# KiCad board HandyWork-5x3-with-mods-with-nav-PCB.kicad_pcb (continued)
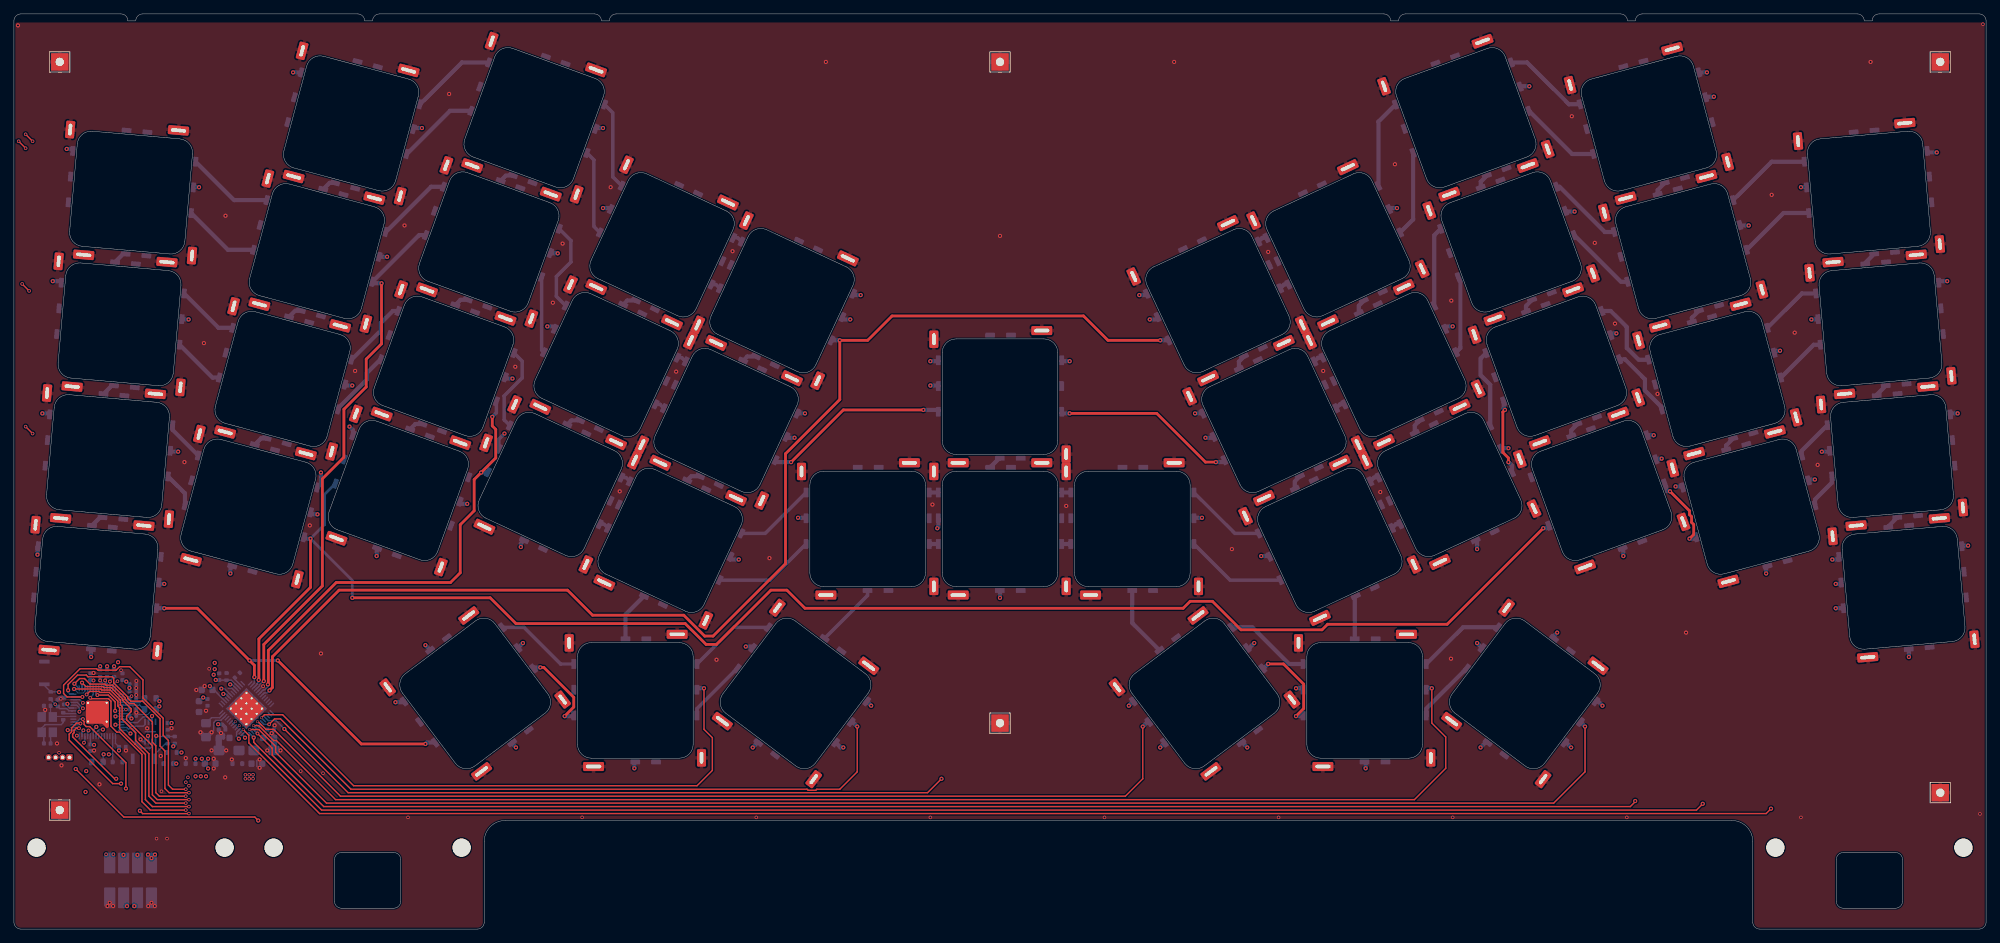
[diagram p0: board, top side]
## Routing (per net, layer and track width the routed paths; a pad name or vN(x,y) marks a point on that pad's centre or on a via; arc(x,y) is an arc through that point) (continued)
Net-(J2-Pin_4): length 17.9
  In2.Cu w0.2: v1(12.88,25.11) 12.88,13.51 v1(15.73,10.66)
  Bottom w0.2: v1(12.88,25.11) 12.81,25.04 R7.2 ; v1(15.73,10.66) 15.75,10.64 J2.4
Net-(R2-Pad1): length 3.1
  Bottom w0.2: R2.1 21.77,26.65 20.31,25.19 SW1.2
Net-(SW_R1C2A-COL-Pad9): length 2.1
  Bottom w0.6: SW_R1C2.9 45.31,107.21 SW_R2C2.1
Net-(SW_R1C2A-ROW-Pad4): length 12.3
  Bottom w0.6: SW_R1C2.4 64.32,124.53 SW_R1C3.3
Net-(SW_R1C2B-LED--Pad8): length 11.8
  Bottom w0.6: SW_R1C3.7 62.6,117.57 SW_R1C2.8
Net-(SW_R1C3A-COL-Pad9): length 2.1
  Bottom w0.6: SW_R2C3.1 70.63,108.28 SW_R1C3.9
Net-(SW_R1C3A-ROW-Pad4): length 12.7
  Bottom w0.5: SW_R1C4.3 85.98,108.08 85.98,117.29 SW_R1C3.4
Net-(SW_R1C3B-LED--Pad8): length 12.2
  Bottom w0.5: SW_R1C3.8 83.28,110.5 83.28,100.95 SW_R1C4.7
Net-(SW_R1C4A-COL-Pad9): length 2.1
  Bottom w0.6: SW_R2C4.1 88.07,90.32 SW_R1C4.9
Net-(SW_R1C4A-ROW-Pad4): length 1.4
  Bottom w0.5: SW_R1C4.4 103.92,99.33 SW_R1C5.3
Net-(SW_R1C4B-LED--Pad8): length 1.4
  Bottom w0.5: SW_R1C4.8 100.79,92.62 SW_R1C5.7
Net-(SW_R1C5A-COL-Pad9): length 2.1
  Bottom w0.6: SW_R1C5.9 105.29,82.29 SW_R2C5.1
Net-(SW_R1C5A-ROW-Pad4): length 42.5
  In2.Cu w0.2: v1(121.58,91.1) v1(161.58,91.1)
  Bottom w0.6: v1(121.58,91.1) 120.51,91.1 SW_R1C5.4 ; v1(161.58,91.1) 162.65,91.1 SW_R1C9.3
Net-(SW_R1C9A-COL-Pad9): length 2.1
  Bottom w0.6: SW_R2C9.1 175.88,81.55 SW_R1C9.9
Net-(SW_R1C10A-COL-Pad9): length 2.1
  Bottom w0.6: SW_R1C10.9 193.1,89.58 SW_R2C10.1
Net-(SW_R1C10A-ROW-Pad3): length 1.4
  Bottom w0.6: SW_R1C9.4 179.24,99.33 SW_R1C10.3
Net-(SW_R1C10A-ROW-Pad4): length 12.7
  Bottom w0.6: SW_R1C11.3 195.91,116.02 SW_R1C10.4
Net-(SW_R1C10B-LED--Pad7): length 1.4
  Bottom w0.6: SW_R1C10.7 182.37,92.62 SW_R1C9.8
Net-(SW_R1C10B-LED--Pad8): length 12.2
  Bottom w0.6: SW_R1C10.8 200.9,101.96 SW_R1C11.7
Net-(SW_R1C11A-COL-Pad9): length 2.1
  Bottom w0.6: SW_R1C11.9 210.61,107.39 SW_R2C11.1
Net-(SW_R1C11A-ROW-Pad4): length 12.3
  Bottom w0.6: SW_R1C12.3 223.26,118.52 217.25,124.53 SW_R1C11.4
Net-(SW_R1C11B-LED--Pad8): length 11.8
  Bottom w0.6: SW_R1C11.8 223.73,111.37 SW_R1C12.7
Net-(SW_R1C12A-COL-Pad9): length 2
  Bottom w0.6: SW_R2C12.1 236,106.19 SW_R1C12.9
Net-(SW_R2C1A-COL-Pad9): length 2
  Bottom w0.6: SW_R2C1.9 15.69,97.01 SW_R3C1.1
Net-(SW_R2C1A-ROW-Pad4): length 12.5
  Bottom w0.6: SW_R2C1.4 31.61,104.75 SW_R2C2.3
Net-(SW_R2C1B-LED--Pad8): length 11.1
  Bottom w0.6: SW_R2C1.8 30.74,97.6 SW_R2C2.7
Net-(SW_R2C2A-COL-Pad9): length 2.1
  Bottom w0.6: SW_R3C2.1 40.39,88.86 SW_R2C2.9
Net-(SW_R2C2A-ROW-Pad4): length 11
  Bottom w0.6: SW_R2C3.3 59.9,106.67 SW_R2C2.4
Net-(SW_R2C3A-COL-Pad9): length 2.1
  Bottom w0.6: SW_R2C3.9 64.13,90.42 SW_R3C3.1
Net-(SW_R2C3A-ROW-Pad4): length 13.2
  Bottom w0.5: SW_R2C3.4 79.98,98.94 79.98,95.87 77.88,93.77 77.88,90.93 SW_R2C4.3
Net-(SW_R2C3B-LED--Pad8): length 10.9
  Bottom w0.5: SW_R2C4.7 75.76,83.21 SW_R2C3.8
Net-(SW_R2C4A-COL-Pad9): length 2.1
  Bottom w0.6: SW_R2C4.9 80.04,73.1 SW_R3C4.1
Net-(SW_R2C4A-ROW-Pad4): length 1.4
  Bottom w0.5: SW_R2C5.3 95.89,82.11 SW_R2C4.4
Net-(SW_R2C4B-LED--Pad8): length 1.4
  Bottom w0.5: SW_R2C4.8 92.76,75.4 SW_R2C5.7
Net-(SW_R2C5A-COL-Pad9): length 2.1
  Bottom w0.6: SW_R2C5.9 97.26,65.07 SW_R3C5.1
Net-(SW_R2C5A-ROW-Pad4): length 23.5
  In2.Cu w0.2: v1(131.58,81.6) 125.08,81.6 117.58,74.1 v1(113.58,74.1)
  Bottom w0.6: SW_R2C5.4 112.48,74.1 v1(113.58,74.1) ; SW_R2C7.3 132.73,81.6 v1(131.58,81.6)
Net-(SW_R2C5B-LED--Pad8): length 27
  Top w0.4: v1(130.58,74.6) 119.08,74.6 v1(111.58,67.1)
  Bottom w0.6: SW_R2C7.7 132.73,74.6 v1(130.58,74.6) ; v1(111.58,67.1) 109.36,67.1 SW_R2C5.8
Net-(SW_R2C7A-COL-Pad9): length 1.9
  Bottom w0.6: SW_R2C7.9 141.46,67.65 SW_R3C7.1
Net-(SW_R2C7A-ROW-Pad4): length 24.7
  In2.Cu w0.2: v1(151.58,81.6) 160.58,72.6 168.08,72.6 v1(169.58,74.1)
  Bottom w0.6: v1(169.58,74.1) 170.68,74.1 SW_R2C9.3 ; v1(151.58,81.6) 150.43,81.6 SW_R2C7.4
Net-(SW_R2C7B-LED--Pad8): length 26.8
  Top w0.4: v1(172.58,67.1) 171.08,67.1 164.08,74.1 v1(151.58,74.1)
  Bottom w0.6: v1(172.58,67.1) 173.8,67.1 SW_R2C9.7 ; v1(151.58,74.1) 150.43,74.1 SW_R2C7.8
Net-(SW_R2C9A-COL-Pad9): length 2.1
  Bottom w0.6: SW_R2C9.9 183.91,64.33 SW_R3C9.1
Net-(SW_R2C10A-COL-Pad9): length 2.1
  Bottom w0.6: SW_R2C10.9 201.13,72.36 SW_R3C10.1
Net-(SW_R2C10A-ROW-Pad3): length 1.4
  Bottom w0.6: SW_R2C9.4 187.27,82.11 SW_R2C10.3
Net-(SW_R2C10A-ROW-Pad4): length 11.4
  Bottom w0.6: SW_R2C11.3 203.94,99.69 SW_R2C10.4
Net-(SW_R2C10B-LED--Pad7): length 1.4
  Bottom w0.6: SW_R2C9.8 190.4,75.4 SW_R2C10.7
Net-(SW_R2C10B-LED--Pad8): length 11.1
  Bottom w0.6: SW_R2C10.8 207.68,83.5 207.68,93.03 207.48,93.58 SW_R2C11.7
Net-(SW_R2C11A-COL-Pad9): length 2.1
  Bottom w0.6: SW_R3C11.1 217.11,89.54 SW_R2C11.9
Net-(SW_R2C11A-ROW-Pad4): length 11
  Bottom w0.6: SW_R2C12.3 228.41,100.17 221.91,106.67 SW_R2C11.4
Net-(SW_R2C11B-LED--Pad8): length 10.4
  Bottom w0.6: SW_R2C11.8 230.73,93.02 SW_R2C12.7
Net-(SW_R2C12A-COL-Pad9): length 2
  Bottom w0.6: SW_R3C12.1 240.92,87.84 SW_R2C12.9
Net-(SW_R2C12A-ROW-Pad4): length 12.5
  Bottom w0.6: SW_R2C13.3 252.37,110.26 SW_R2C12.4
Net-(SW_R2C12B-LED--Pad8): length 11.1
  Bottom w0.6: SW_R2C13.7 254.07,102.89 SW_R2C12.8
Net-(SW_R2C13A-COL-Pad9): length 1.9
  Bottom w0.6: SW_R2C13.9 265.81,95.72 SW_R3C13.1
Net-(SW_R3C1A-COL-Pad9): length 2
  Bottom w0.6: SW_R4C1.1 14.04,78.08 SW_R3C1.9
Net-(SW_R3C1A-ROW-Pad4): length 9
  Bottom w0.6: SW_R3C2.3 29.37,86.4 SW_R3C1.4
Net-(SW_R3C1B-LED--Pad8): length 7.6
  Bottom w0.6: SW_R3C2.7 28.51,79.25 SW_R3C1.8
Net-(SW_R3C2A-COL-Pad9): length 2.1
  Bottom w0.6: SW_R3C2.9 35.47,70.51 SW_R4C2.1
Net-(SW_R3C2A-ROW-Pad4): length 10.2
  Bottom w0.6: SW_R3C2.4 52.68,86.01 52.68,87.1 54.4,88.82 SW_R3C3.3
Net-(SW_R3C2B-LED--Pad8): length 9.7
  Bottom w0.6: SW_R3C3.7 50.68,79.91 50.68,78.97 46.57,74.86 SW_R3C2.8
Net-(SW_R3C3A-COL-Pad9): length 2.1
  Bottom w0.6: SW_R3C3.9 57.63,72.57 SW_R4C3.1
Net-(SW_R3C3A-ROW-Pad4): length 12.3
  Bottom w0.5: SW_R3C4.3 70.38,73.18 70.38,76.6 72.98,79.2 72.98,81.58 SW_R3C3.4
Net-(SW_R3C4A-COL-Pad9): length 22
  In2.Cu w0.2: v1(72.78,54.9) 59.08,41.2 v1(59.08,40.8)
  Bottom w0.6: SW_R5C4.1 59.76,40.12 v1(59.08,40.8) ; v1(72.78,54.9) 72.78,55.41 SW_R3C4.9
Net-(SW_R3C4A-ROW-Pad4): length 1.4
  Bottom w0.5: SW_R3C4.4 87.86,64.89 SW_R3C5.3
Net-(SW_R3C4B-LED--Pad8): length 1.4
  Bottom w0.5: SW_R3C5.7 84.74,58.18 SW_R3C4.8
Net-(SW_R3C5A-COL-Pad9): length 7.2
  Bottom w0.6: SW_R3C5.9 87.8,45.18 SW_R5C5.1
Net-(SW_R3C5A-ROW-Pad4): length 11.7
  Bottom w0.5: SW_R3C6.3 107.86,56.86 SW_R3C5.4
Net-(SW_R3C5B-LED--Pad8): length 14.5
  Bottom w0.5: SW_R3C5.8 108.55,50.15 SW_R3C6.7
Net-(SW_R3C6A-COL-Pad9): length 9.4
  Bottom w0.5: SW_R3C6.9 122.56,47.93 SW_R5C6.1
Net-(SW_R3C6A-ROW-Pad4): length 1.3
  Bottom w0.6: SW_R3C6.4 SW_R3C7.3
Net-(SW_R3C6B-LED--Pad8): length 1.3
  Bottom w0.6: SW_R3C6.8 SW_R3C7.7
Net-(SW_R3C7A-ROW-Pad4): length 1.3
  Bottom w0.6: SW_R3C7.4 SW_R3C8.3
Net-(SW_R3C7B-LED--Pad8): length 1.3
  Bottom w0.6: SW_R3C7.8 SW_R3C8.7
Net-(SW_R3C8A-COL-Pad9): length 10.2
  Bottom w0.6: SW_R3C8.9 160.56,43.99 SW_R5C8.1
Net-(SW_R3C8A-ROW-Pad4): length 11.7
  Bottom w0.5: SW_R3C9.3 175.3,56.86 SW_R3C8.4
Net-(SW_R3C8B-LED--Pad8): length 14.5
  Bottom w0.5: SW_R3C8.8 174.61,50.15 SW_R3C9.7
Net-(SW_R3C9A-COL-Pad9): length 6.2
  Bottom w0.6: SW_R5C9.1 192.52,47.69 SW_R3C9.9
Net-(SW_R3C10A-COL-Pad9): length 19.2
  In2.Cu w0.2: v1(221.58,42.6) 221.58,43.1 v1(210.08,54.6)
  Bottom w0.6: v1(210.08,54.6) 210.08,55.86 SW_R3C10.9 ; v1(221.58,42.6) 221.13,42.15 SW_R5C10.1
Net-(SW_R3C10A-ROW-Pad3): length 1.4
  Bottom w0.6: SW_R3C9.4 195.3,64.89 SW_R3C10.3
Net-(SW_R3C10A-ROW-Pad4): length 11.3
  Bottom w0.6: SW_R3C11.3 210.58,81.98 210.58,79.6 211.97,78.21 SW_R3C10.4
Net-(SW_R3C10B-LED--Pad7): length 1.4
  Bottom w0.6: SW_R3C10.7 198.42,58.18 SW_R3C9.8
Net-(SW_R3C10B-LED--Pad8): length 10.9
  Top w0.4: v1(214.58,67.1) 214.58,67.7 213.78,68.5 213.78,74.3 v1(214.08,74.6)
  Bottom w0.6: SW_R3C10.8 215.1,66.58 v1(214.58,67.1) ; v1(214.08,74.6) 213.89,74.79 SW_R3C11.7
Net-(SW_R3C11A-COL-Pad9): length 2.1
  Bottom w0.6: SW_R4C11.1 223.6,71.68 SW_R3C11.9
Net-(SW_R3C11A-ROW-Pad4): length 11.3
  Bottom w0.6: SW_R3C12.3 233.27,81.81 231.58,83.5 231.58,86.5 229.26,88.82 SW_R3C11.4
Net-(SW_R3C11B-LED--Pad8): length 10.2
  Bottom w0.6: SW_R3C11.8 231.31,81.87 234.18,79 234.18,77.4 236.55,75.03 236.59,74.86 SW_R3C12.7
Net-(SW_R3C12A-COL-Pad9): length 2
  Bottom w0.6: SW_R3C12.9 245.84,69.48 SW_R4C12.1
Net-(SW_R3C12A-ROW-Pad4): length 9
  Bottom w0.6: SW_R3C13.3 256.72,91.34 SW_R3C12.4
Net-(SW_R3C12B-LED--Pad8): length 7.6
  Bottom w0.6: SW_R3C12.8 258.41,83.96 SW_R3C13.7
Net-(SW_R3C13A-COL-Pad9): length 1.9
  Bottom w0.6: SW_R4C13.1 267.47,76.8 SW_R3C13.9
Net-(SW_R4C1A-COL-Pad9): length 2
  Bottom w0.6: SW_R4C1.9 12.38,59.15 SW_R5C1.1
Net-(SW_R4C1A-ROW-Pad4): length 5.9
  Bottom w0.6: SW_R4C1.4 22.78,71.73 SW_R4C2.3
Net-(SW_R4C1B-LED--Pad8): length 5.1
  Bottom w0.6: SW_R4C1.8 24.55,62.62 SW_R4C2.7
Net-(SW_R4C2A-ROW-Pad4): length 12.4
  In2.Cu w0.2: v1(44.08,65.6) 44.58,65.6 47.78,68.8 47.78,71.8 v1(48.18,72.2)
  Bottom w0.6: v1(48.18,72.2) 48.67,71.71 SW_R4C3.3 ; v1(44.08,65.6) 44.08,63.98 SW_R4C2.4
Net-(SW_R4C11A-ROW-Pad4): length 10.8
  In1.Cu w0.2: v1(235.44,70.96) 235.88,70.52 235.88,67.2 236.68,66.4 236.68,65.5 v1(238.58,63.6)
  Bottom w0.6: v1(238.58,63.6) 239.6,63.6 SW_R4C12.3 ; v1(235.44,70.96) 234.49,70.96 SW_R4C11.4
Net-(SW_R4C11B-LED--Pad8): length 11
  Top w0.4: v1(237.78,62.9) 240.58,60.1 240.58,59.55 240.88,59.25 240.88,58.43 241.18,58.13 241.18,56.7 v1(240.58,56.1)
  Bottom w0.6: v1(237.78,62.9) 237.75,62.93 237.36,62.93 237.02,63.87 SW_R4C11.8 ; v1(240.58,56.1) 241.3,56.1 SW_R4C12.7
Net-(SW_R4C12A-ROW-Pad4): length 5.9
  Bottom w0.6: SW_R4C13.3 256.69,68.72 SW_R4C12.4
Net-(SW_R4C12B-LED--Pad8): length 5.1
  Bottom w0.6: SW_R4C13.7 261.03,64.15 258.61,61.73 SW_R4C12.8
Net-(SW_R4C13A-COL-Pad9): length 1.9
  Bottom w0.6: SW_R4C13.9 269.12,57.87 SW_R5C13.1
Net-(SW_R5C4A-ROW-Pad4): length 12.4
  Bottom w0.5: SW_R5C5.3 78.49,38.09 73.22,43.36 SW_R5C4.4
Net-(SW_R5C4B-LED--Pad8): length 12.3
  Top w0.4: v1(79.08,30.6) 80.38,31.9 80.38,33.3 76.08,37.6 v1(75.58,37.6)
  Bottom w0.6: v1(79.08,30.6) 80.37,30.6 SW_R5C5.7 ; SW_R5C4.8 74.6,37.6 v1(75.58,37.6)
Net-(SW_R5C5A-ROW-Pad4): length 12.4
  Bottom w0.5: SW_R5C6.3 103.35,43.36 SW_R5C5.4
Net-(SW_R5C5B-LED--Pad8): length 9.2
  Bottom w0.5: SW_R5C6.7 98.07,31.68 SW_R5C5.8
Net-(SW_R5C6A-ROW-Pad4): length 38.8
  In1.Cu w0.2: v1(123.08,32.1) v1(160.08,32.1)
  Bottom w0.6: v1(123.08,32.1) 122.47,32.71 SW_R5C6.4 ; v1(160.08,32.1) 160.69,32.71 SW_R5C8.3
Net-(SW_R5C6B-LED--Pad8): length 47.8
  In1.Cu w0.6: v1(119.08,26.1) v1(164.58,26.1)
  Bottom w0.6: v1(119.08,26.1) 118.68,26.1 SW_R5C6.8 ; SW_R5C8.7 165.18,26.7 v1(164.58,26.1)
Net-(SW_R5C8A-ROW-Pad4): length 12.4
  Bottom w0.6: SW_R5C9.3 183.09,38.09 177.82,43.36 SW_R5C8.4
Net-(SW_R5C8B-LED--Pad8): length 13.5
  Top w0.4: v1(180.08,38.1) 182.28,38.1 185.18,35.2 185.18,31.7 v1(184.08,30.6)
  Bottom w0.6: SW_R5C9.7 185.09,30.6 v1(184.08,30.6) ; v1(180.08,38.1) 179.43,37.45 SW_R5C8.8
Net-(SW_R5C10A-ROW-Pad3): length 12.4
  Bottom w0.6: SW_R5C9.4 208.06,43.36 SW_R5C10.3
Net-(SW_R5C10A-ROW-Pad4): length 44.2
  In1.Cu w0.2: v1(228.08,32.1) 240.08,32.1 v1(261.08,53.1)
  Bottom w0.6: SW_R5C10.4 227.47,32.71 v1(228.08,32.1) ; SW_R5C13.3 262.04,53.1 v1(261.08,53.1)
Net-(SW_R5C10B-LED--Pad7): length 9.2
  Bottom w0.6: SW_R5C9.8 202.79,31.68 SW_R5C10.7
Net-(SW_R5C10B-LED--Pad8): length 48.6
  In1.Cu w0.6: v1(261.58,46.1) 241.58,26.1 v1(223.58,26.1)
  Bottom w0.6: SW_R5C13.7 261.59,46.11 v1(261.58,46.1) ; v1(223.58,26.1) 222.88,26.8 SW_R5C10.8
Net-(U1-QSPI_SCLK): length 5
  Bottom w0.2: U2.6 19.33,30.25 19.1,30.49 18.56,30.49 17.75,29.67 16.65,29.67 16.16,30.16 U1.52
Net-(U1-QSPI_SD0): length 4.1
  Bottom w0.2: U2.5 18.83,29.41 18.58,29.16 16.58,29.16 15.98,29.76 U1.53
Net-(U1-QSPI_SD1): length 7.3
  Bottom w0.2: U2.2 19.83,26.26 19.58,26.01 18.28,26.01 17.43,26.86 17.43,28.36 17.03,28.76 16.41,28.76 16.21,28.96 U1.55
Net-(U1-QSPI_SD2): length 7
  In2.Cu w0.2: v1(19.25,27.76) 18.3,28.71 15.23,28.71 v1(14.58,29.36)
  Bottom w0.2: U2.3 19.33,27.68 v1(19.25,27.76) ; U1.54 v1(14.58,29.36)
Net-(U1-QSPI_SD3): length 7.9
  In2.Cu w0.2: v1(19.83,30.61) 18.63,29.41 16.38,29.41 15.23,30.56 v1(14.58,30.56)
  Bottom w0.2: U2.7 v1(19.83,30.61) ; U1.51 v1(14.58,30.56)
Net-(U1-RUN): length 8.3
  In2.Cu w0.2: v1(6.48,34.05) 6.75,33.78 8.63,33.78 v3(9.91,32.5)
  Bottom w0.2: v1(6.48,34.05) 6.45,34.09 R6.1 ; U1.26 9.45,32.96 v3(9.91,32.5) ; SW2.2 4.38,35 5.28,34.1
Net-(U1-XIN): length 4.7
  Bottom w0.15: U1.20 5.67,30.56 Y1.3 5.26,30.79 C3.1
Net-(U1-XOUT): length 1.5
  Bottom w0.2: R3.2 7.2,30.96 U1.21
Net-(U1-~{QSPI_SS}): length 9.4
  In2.Cu w0.2: v1(20.43,27.76) 19.88,27.21 19.01,27.21 18.12,28.1 v1(16.73,28.1)
  Bottom w0.2: U2.1 20.33,27.66 v1(20.43,27.76) 20.52,27.67 R2.2 R1.2 ; U1.56 16.12,28.56 16.58,28.1 v1(16.73,28.1)
Net-(U3-IICRST): length 1.4
  Bottom w0.2: R12.2 31.72,35.88 U3.47
Net-(U3-RSET): length 3
  Bottom w0.2: U3.35 29.53,30.38 28.38,30.38 R13.2

## Copper pours and planes (outline as drawn; the poured copper is in the pictures)
+3V3 on Bottom: 27.88,24.2 28.08,24.78 25.78,24.78 25.78,21.62 27.88,21.62
+3V3 on Bottom: 16.88,31.26 16.88,31.88 14.98,31.88 14.98,31.26
+3V3 on Bottom: 16.33,33.66 16.03,33.26 14.98,33.26 14.48,34.17 14.48,35.06 15.28,35.76 16.88,35.76 16.88,33.66
+3V3 on Bottom: 22.88,29.61 22.68,29.31 20.18,29.31 20.18,30.26 20.48,30.26 22.68,29.91
+3V3 on In1.Cu: 5.38,31.73 6.18,31.73 6.18,33.68 10.98,33.68 10.98,31.88 9.18,31.88 9.18,31.18 8.28,30.28 8.28,26.61 7.58,25.88 7.58,22.98 9.08,23 10.98,25.98 12.58,25.98 12.58,23 28.2,23 28.2,24.88 27.88,24.88 27.88,26.38 26.18,26.38 26.18,38.05 5.38,38.05
+3V3 on In1.Cu: 18.93,11.03 18.93,9.88 27.88,9.88 27.88,22.28 25.78,22.28 25.78,11.03
+5V on Bottom: 30.43,32.28 29.98,31.83 28.08,32.78 27.48,32.78 27.08,32.28 26.08,32.28 26.08,33.38 29.28,33.38 29.78,32.93
+5V on Bottom: 34.58,21.38 34.58,24.28 35.28,24.98 35.28,26.38 36.28,27 36.28,27.98 36.71,28.38 36.71,29 35.73,29 35.56,28.88 34.83,29.6 34.61,29.38 35.33,28.65 35.21,27.73 34.58,27.05 32.18,27.05 31.56,27.73 31.43,28.65 32.16,29.38 31.93,29.6 31.21,28.88 31.01,29 30.06,29 30.06,28.38 30.48,27.98 30.48,27 31.48,26.38 31.48,24.98 32.48,24.28 32.48,23.38 32.97,22.88 32.97,21.38
+5V on In1.Cu: 34.57,22.42 34.57,6.3 12.97,6.3 12.97,11 14.57,11 14.57,7.9 32.97,7.9 32.97,22.42
GND on Top, Bottom, In1.Cu, In2.Cu: 0,0 67.53,0 67.53,12.6 68.53,14.6 70.53,15.6 246.66,15.6 248.66,14.6 249.66,12.6 249.66,0 283.16,0 283.16,130.5 0,130.5
GND on In1.Cu: 13.53,36.15 15.03,36.15 15.93,37 27.68,37 28.13,36.55 28.68,36.55 28.83,37.35 28.28,37.9 15.33,37.9 14.53,37.1 13.18,37.1 12.38,36.3 12.38,35.7 13.08,35.7

## Text on the board
B.Silkscreen: ${COMMENT1}-${REVISION} | Ergosplit keyboard for Framework Laptop 16 | Designed by Axel Voitier | Licensed under CERN-OHL-W v2 | ${COMMENT5} | ${COMMENT4}
